# Altium PCB PiMX8MPIODB_r0.1.PcbDoc (part 1 of 3)
Units mm, origin at the board's own origin, x right, y up, seen from the top; angles counter-clockwise.
Board outline 54.2 x 38.2 mm, 6 copper layers (Top Layer, L2 GND, L3 SIG, GND, GND (Mid2), Bottom Layer), stack 1.538 mm thick; 73 components, 73 nets, 333 pads, 771 vias.
Unrouted connection lines stored in the file: 39.
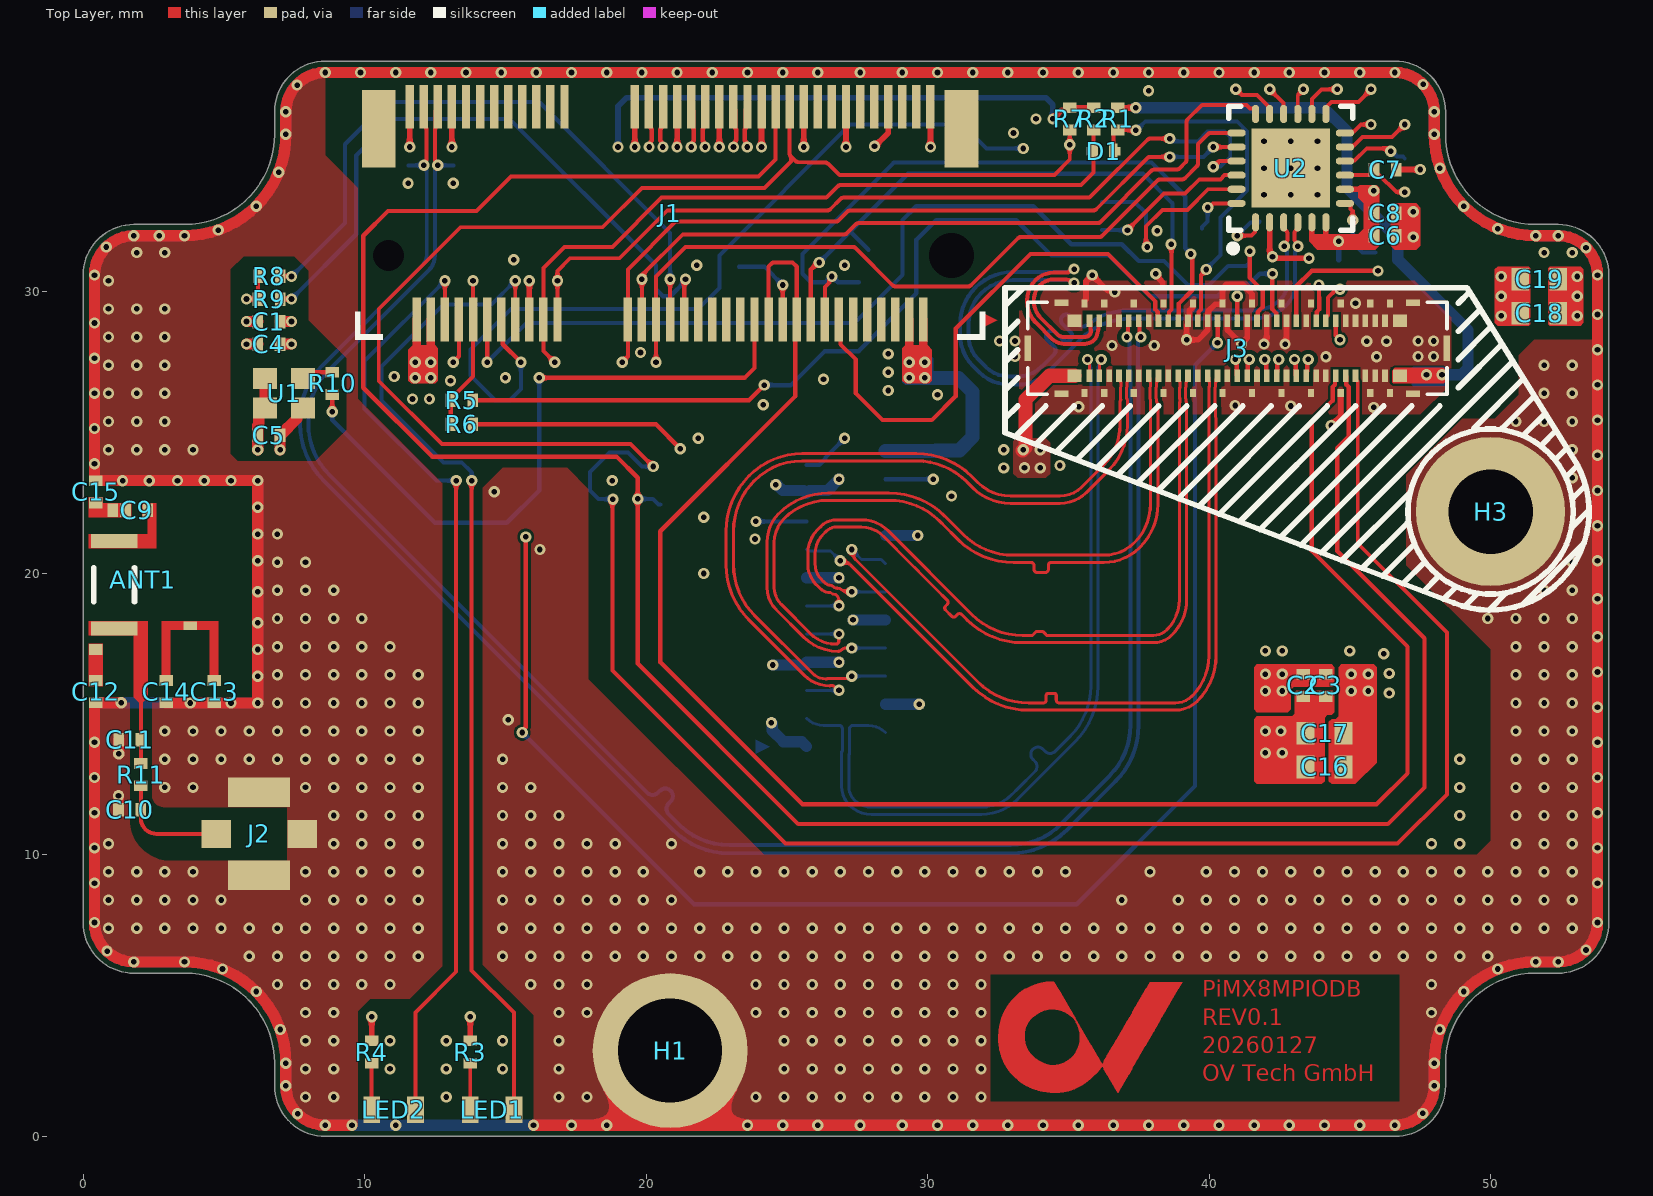
[diagram p0: Top Layer view]
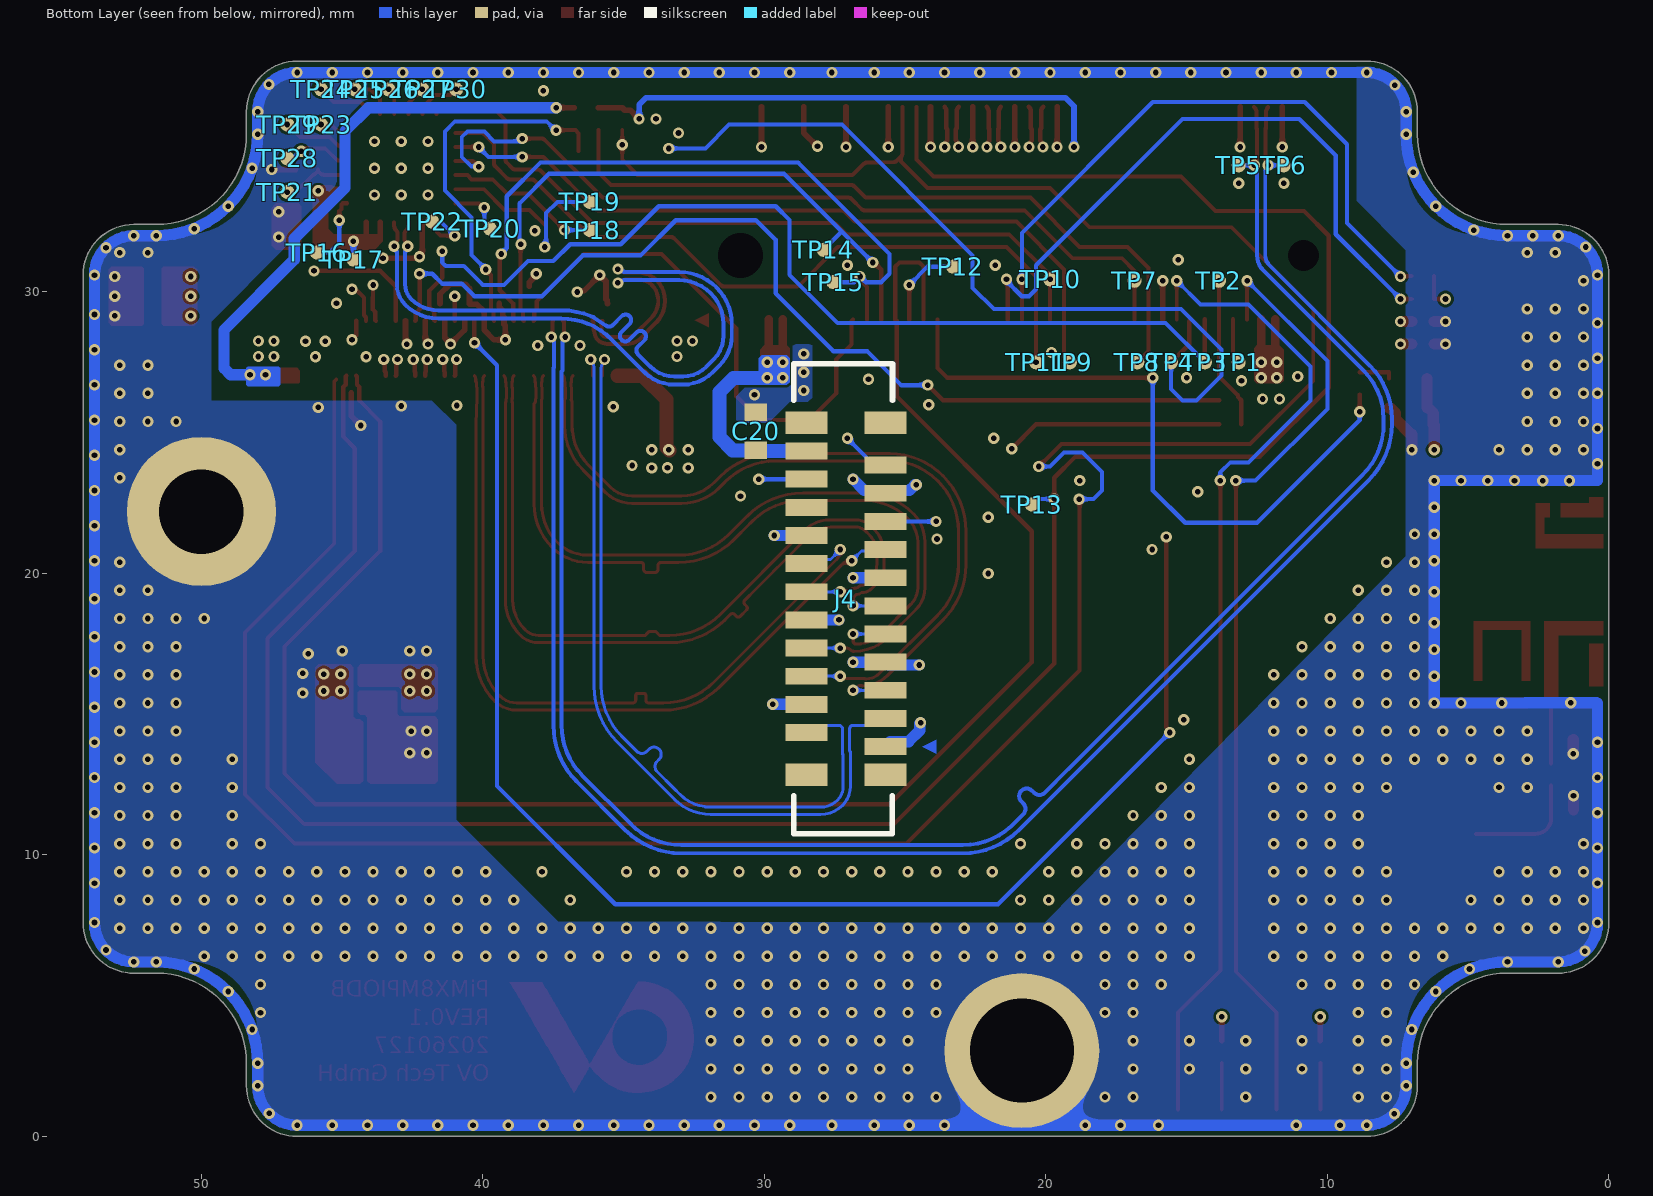
[diagram p1: Bottom Layer view, seen from below]
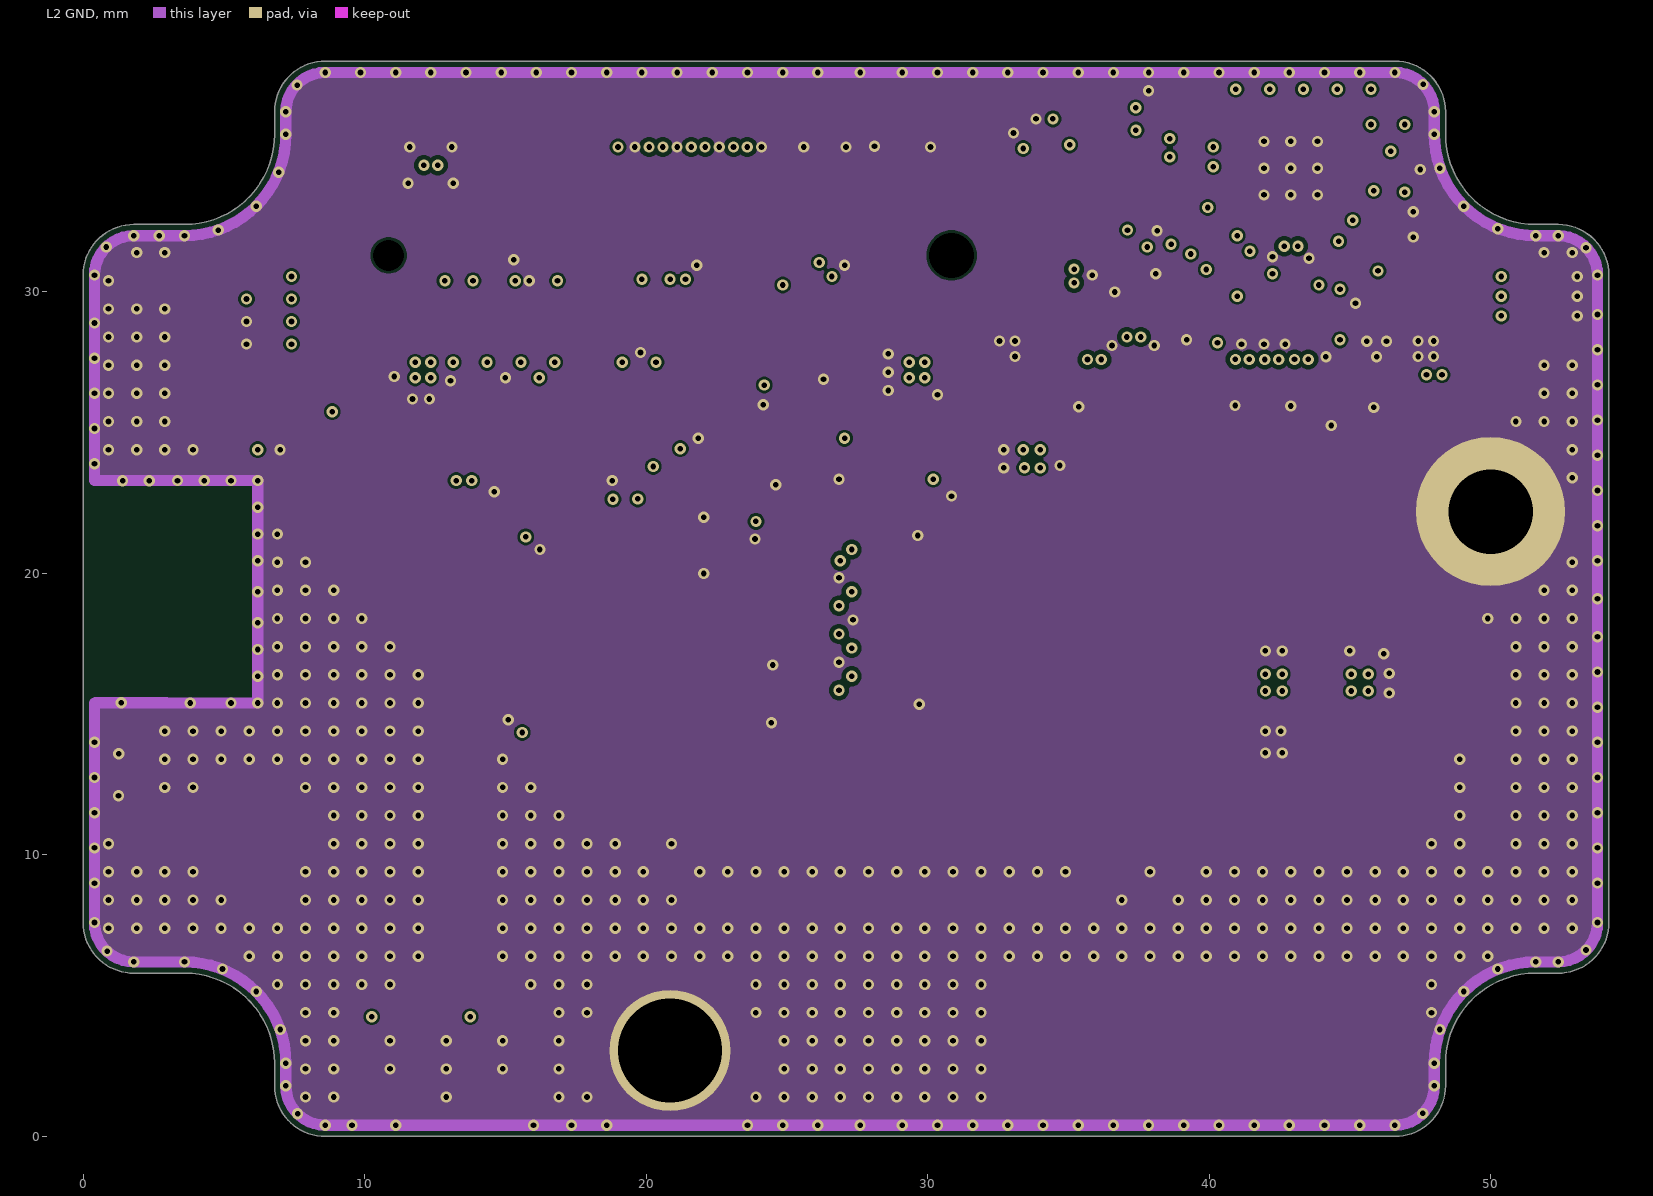
[diagram p2: L2 GND]
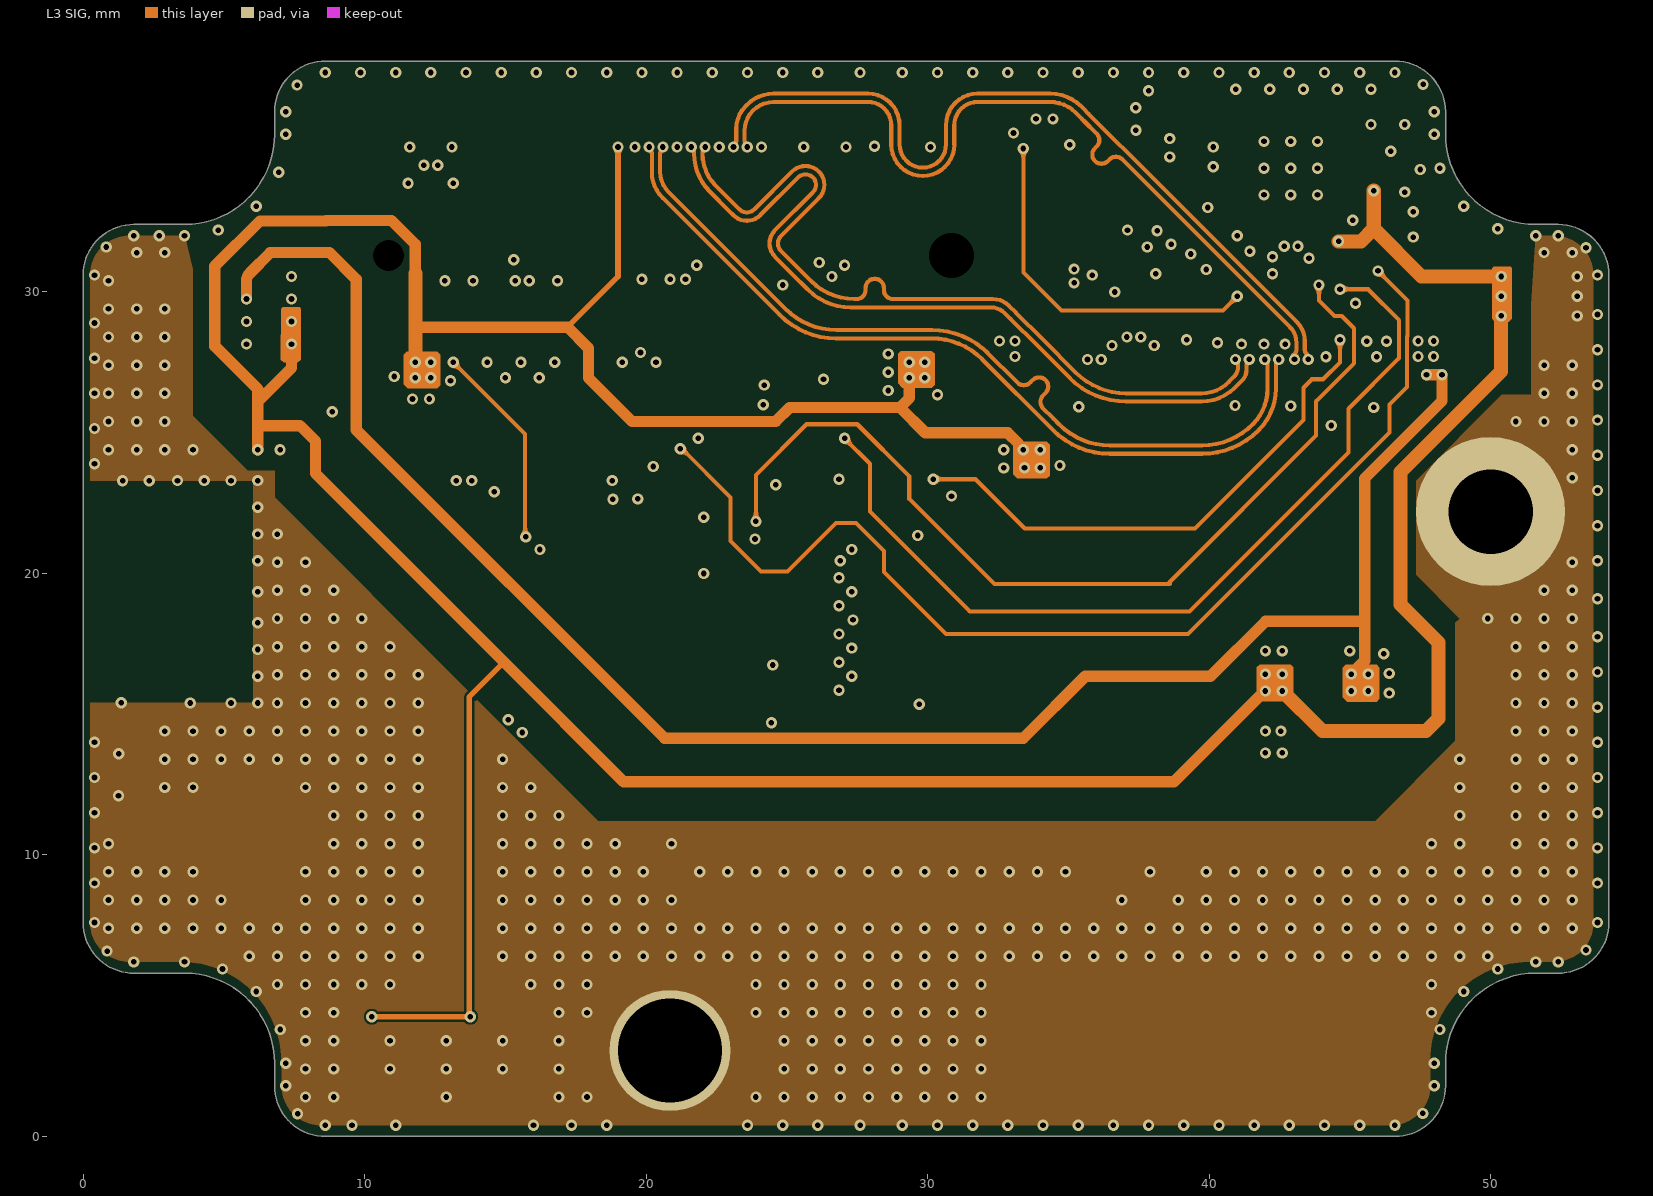
[diagram p3: L3 SIG]
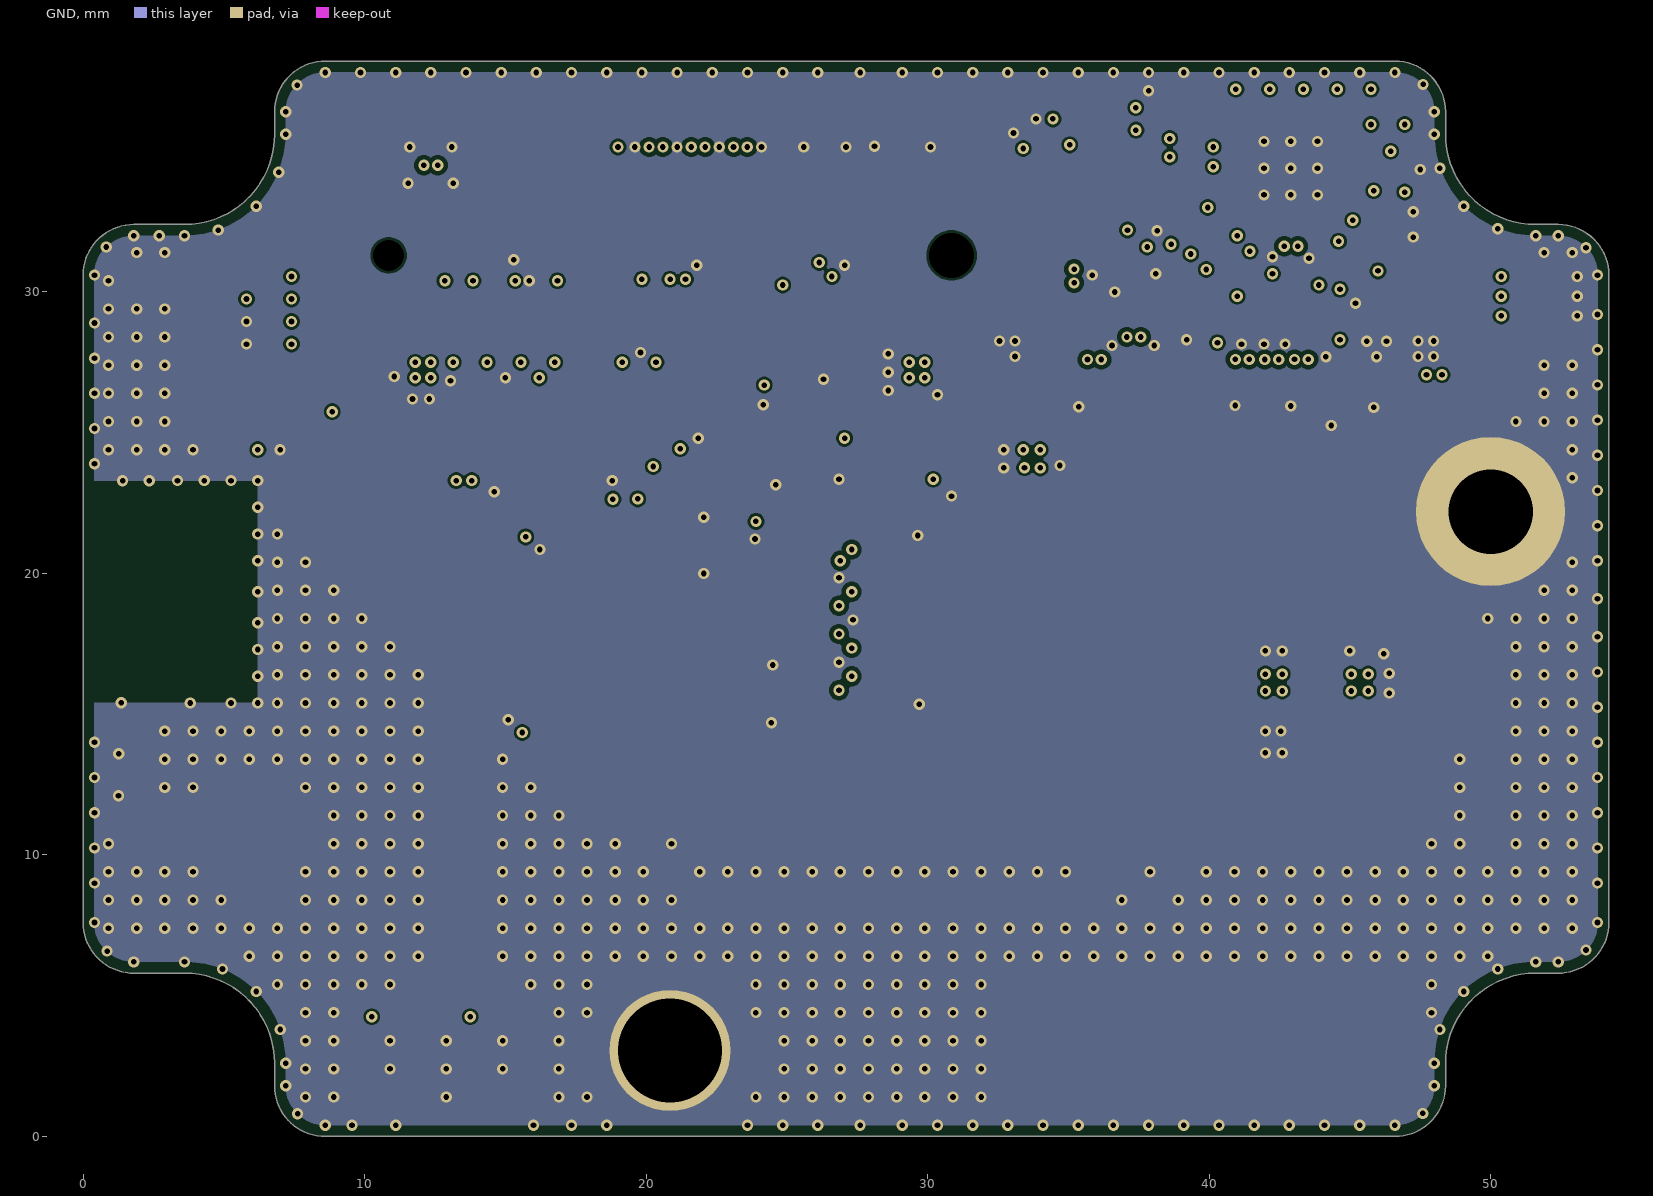
[diagram p4: GND]
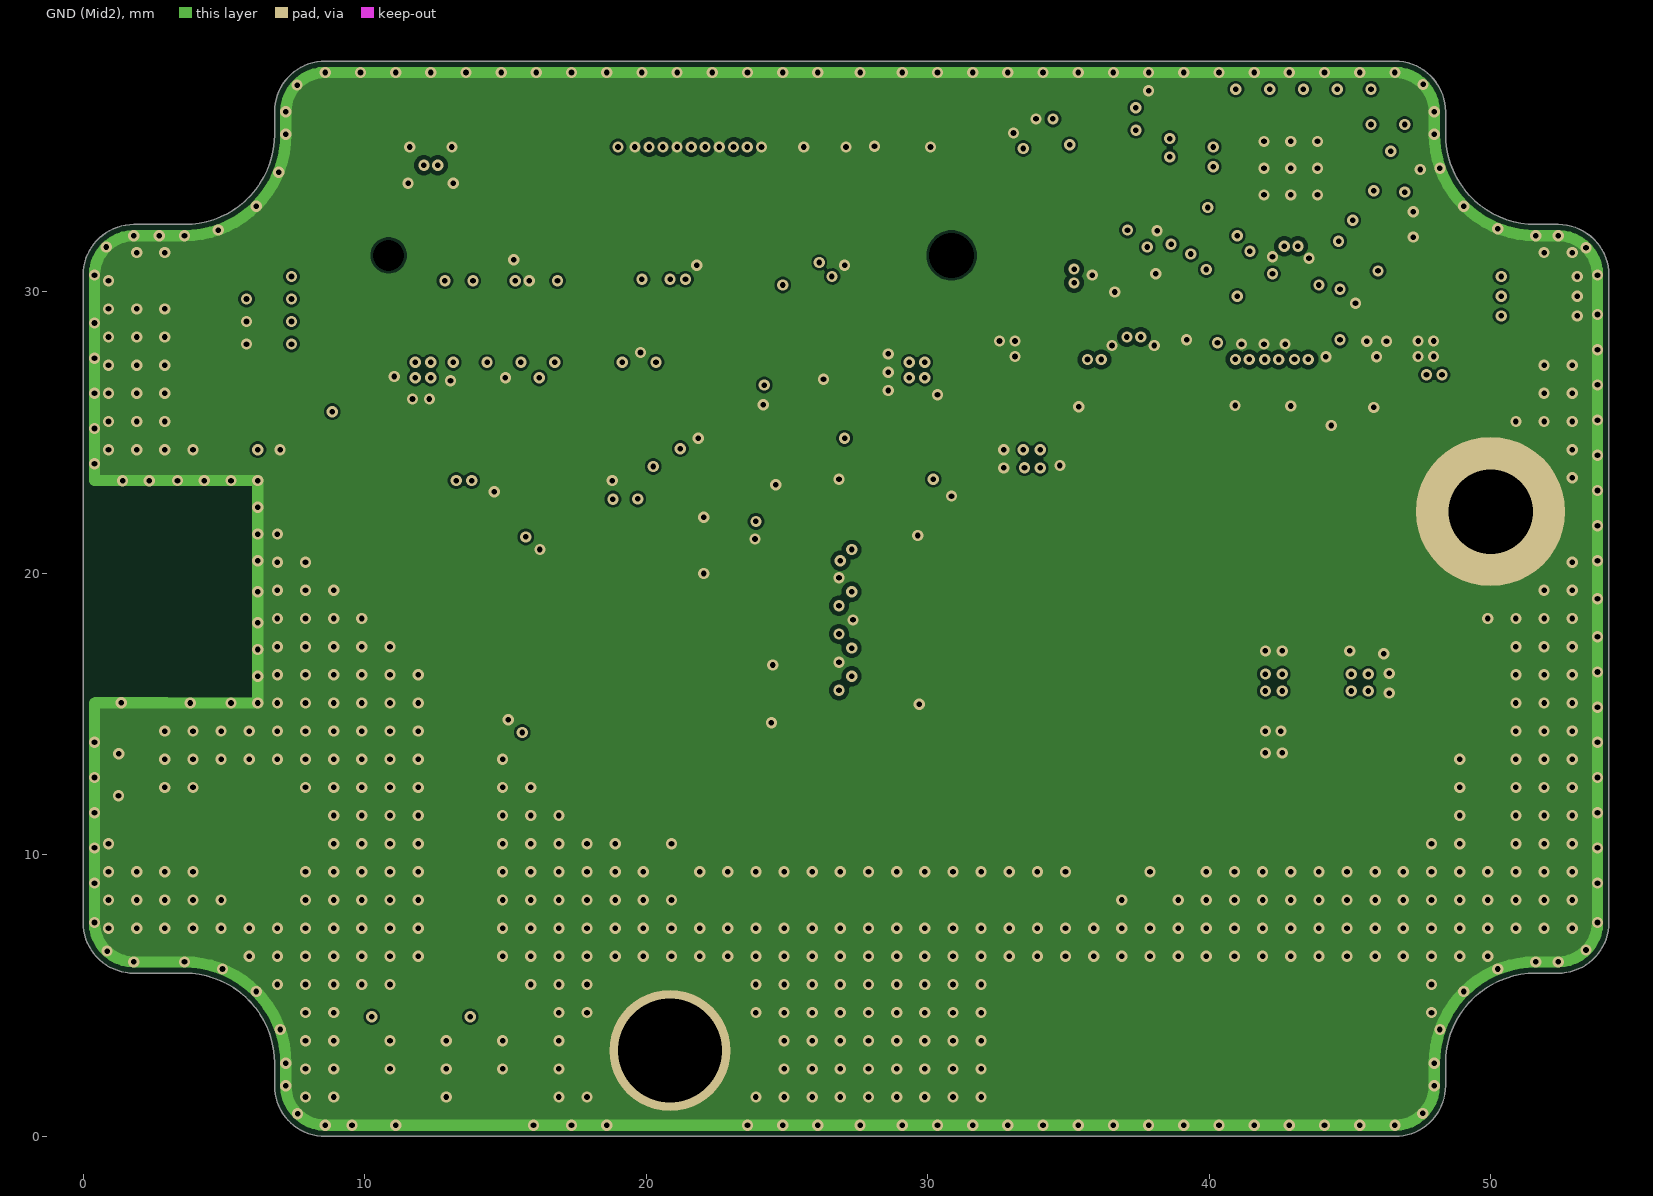
[diagram p5: GND (Mid2)]
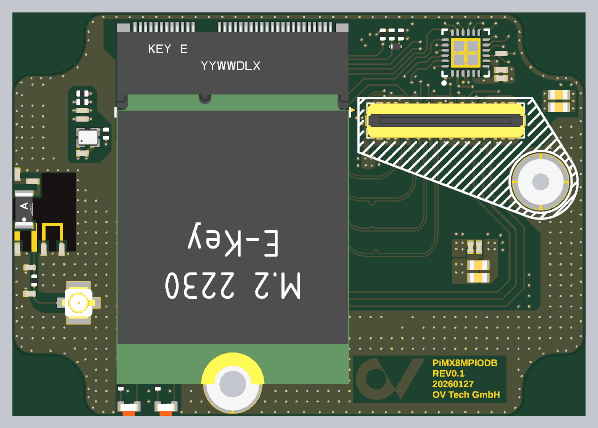
[diagram p8: 3D render of the assembled board from above, using the file's embedded part models]

## Layer stack, top to bottom
Top Solder: solder mask 0.0305, Solder Resist, Dk 3.8
Top Layer: signal copper 0.035
Prepreg 1: prepreg 0.0994, 3313, RC 457, 4.2 mil, Dk 4.1
L2 GND: signal copper 0.0152
Core 1: core 0.55, 0.55mm H/Hwithout copper, Dk 4.1
L3 SIG: signal copper 0.0152
Prepreg 2: prepreg 0.1088, 2116 RC54%, 4.9mil, Dk 4.1
GND: signal copper 0.0152
Core 2: core 0.55, 0.55mm H/Hwithout copper, Dk 4.1
GND (Mid2): signal copper 0.0152
Prepreg 3: prepreg 0.0994, 3313, RC 457, 4.2 mil, Dk 4.1
Bottom Layer: signal copper 0.035
Bottom Solder: solder mask 0.0305, Solder Resist, Dk 3.8

## Board outline
1.8,5.8 3.6,5.8 cw(c3.6,2.6) 6.8,2.6 6.8,1.8 ccw(c8.6,1.8) 8.6,0 46.6,0 ccw(c46.6,1.8) 48.4,1.8 48.4,2.6 cw(c51.6,2.6) 51.6,5.8 52.4,5.8 ccw(c52.4,7.6) 54.2,7.6 54.2,30.6 ccw(c52.4,30.6) 52.4,32.4 51.6,32.4 cw(c51.6,35.6) 48.4,35.6 48.4,36.4 ccw(c46.6,36.4) 46.6,38.2 8.6,38.2 ccw(c8.6,36.4) 6.8,36.4 6.8,35.6 cw(c3.6,35.6) 3.6,32.4 1.8,32.4 ccw(c1.8,30.6) 0,30.6 0,7.6 ccw(c1.8,7.6)

## Design rules (kind name [scope] priority, off if disabled: settings)
BoardOutlineClearance [All] p1: gap=0.2 ignorepadtopadclearanceinfootprint=FALSE
Clearance DIFF_Clearance [(InDifferentialPairClass('All Differential Pairs')) vs IsRegion] p1: gap=0.15 ignorepadtopadclearanceinfootprint=TRUE
Clearance [All] p2: gap=0.09 ignorepadtopadclearanceinfootprint=TRUE except(0.1: Arc-SMDPad Track-SMDPad; 0.125: Arc-Via Track-Via; 0.127: SMDPad-SMDPad; 0.15: SMDPad-Text THPad-Text Via-Text Fill-Text Poly-Text Region-Text Text-Text Text-Hole; 0.154: SMDPad-Via; 0.2: Arc-THPad Arc-Hole Track-THPad Track-Hole SMDPad-Hole THPad-Hole)
ComponentClearance Testpoint [HasFootprint('TP_0.50mm') vs HasFootprint('TP_0.50mm')] p1: gap=0.8 collisioncheckmode=3 verticalgap=0.254 showdistances=FALSE
ComponentClearance Exception_M.2_Standoff [HasFootprint('M.2 E-Key 4.2mm APCI0108-P001A') vs HasFootprint('Spacer_SMD_M3x2.5_TH-0.8-2.5-M3')] p2: gap=0 collisioncheckmode=3 verticalgap=0 showdistances=FALSE
ComponentClearance [All] p3: gap=0.254 collisioncheckmode=3 verticalgap=0.254 showdistances=FALSE
DiffPairsRouting DiffPairsRouting_100 [InDifferentialPairClass('DIFF100')] p1: maxlimit=5 minlimit=0.1 mostfreqgap=0.2 toplayer_prefgap=0.15 toplayer_minwidth=0.108 toplayer_maxwidth=0.108 toplayer_prefwidth=0.108 midlayer3_mingap=0.2 midlayer3_minwidth=0.112 midlayer3_maxwidth=0.112 midlayer3_prefwidth=0.112 midlayer4_mingap=0.2 midlayer4_minwidth=0.112 midlayer4_maxwidth=0.112 midlayer4_prefwidth=0.112 bottomlayer_mingap=0.15 bottomlayer_prefgap=0.15 bottomlayer_minwidth=0.108 bottomlayer_maxwidth=0.108 bottomlayer_prefwidth=0.108 impedanceprofiledriven=TRUE impedanceprofileid={14998AED-97F4-4351-A799-867E61214AE5} impedanceprofilevalue=100.000000 maxuncoupledlength=5
DiffPairsRouting DiffPairsRouting_90 [InDifferentialPairClass('DIFF90')] p2: maxlimit=0.3 minlimit=0.1 mostfreqgap=0.15 toplayer_maxgap=0.15 toplayer_minwidth=0.1 toplayer_maxwidth=0.141 toplayer_prefwidth=0.141 midlayer3_maxgap=0.15 midlayer3_minwidth=0.1 midlayer3_maxwidth=0.129 midlayer3_prefwidth=0.129 midlayer4_maxgap=0.15 midlayer4_minwidth=0.1 midlayer4_maxwidth=0.129 midlayer4_prefwidth=0.129 bottomlayer_maxgap=0.15 bottomlayer_minwidth=0.1 bottomlayer_maxwidth=0.141 bottomlayer_prefwidth=0.141 impedanceprofiledriven=TRUE impedanceprofileid={F763DD62-148D-4FB0-A8B3-71F72581B7A3} impedanceprofilevalue=90.000000 maxuncoupledlength=5
DiffPairsRouting DiffPairsRouting_85 [InDifferentialPairClass('DIFF85')] p3: maxlimit=0.3 minlimit=0.1 mostfreqgap=0.15 toplayer_maxgap=0.15 toplayer_minwidth=0.11 toplayer_maxwidth=0.161 toplayer_prefwidth=0.161 midlayer3_maxgap=0.15 midlayer3_minwidth=0.11 midlayer3_maxwidth=0.147 midlayer3_prefwidth=0.147 midlayer4_maxgap=0.15 midlayer4_minwidth=0.11 midlayer4_maxwidth=0.147 midlayer4_prefwidth=0.147 bottomlayer_maxgap=0.15 bottomlayer_minwidth=0.11 bottomlayer_maxwidth=0.161 bottomlayer_prefwidth=0.161 impedanceprofiledriven=TRUE impedanceprofileid={9D260A77-406D-4574-8F8F-E36613C6C459} impedanceprofilevalue=85.000000 maxuncoupledlength=5
HoleSize HoleSize_Via [IsVia] p1: absolutevalues=TRUE maxlimit=6.3 minlimit=0.2 maxpercent=80.000 minpercent=20.000
HoleSize HoleSize_Pad [IsPad] p2: absolutevalues=TRUE maxlimit=6.3 minlimit=0.5 maxpercent=80.000 minpercent=20.000
HoleSize HoleSize_General [All] p3: absolutevalues=TRUE maxlimit=6.3 minlimit=0.2 maxpercent=80.000 minpercent=20.000
HoleToHoleClearance HoleToHoleClearance_Via [isVia] p1: gap=0.254 allowstackedmicrovias=TRUE
HoleToHoleClearance HoleToHoleClearance_General [All] p2: gap=0.5 allowstackedmicrovias=TRUE
MatchedLengths MatchLengths_xSignals_J3_J4 [InxSignalClass('xSignals_J3_J4_MatchLengthsClass')] p1: tolerance=2.54 checknetsindiffpair=FALSE checkdiffpairvsdiffpair=TRUE checkxsignals=TRUE checkothers=TRUE
MatchedLengths xPCIe_intraPair [InxSignalClass('xPCIe')] p2: tolerance=25.4 checknetsindiffpair=TRUE checkdiffpairvsdiffpair=FALSE checkxsignals=FALSE checkothers=FALSE usedelayunits=TRUE delaytolerance=1.000000 phasematching=TRUE phasedelaytolerance=1.000000 phasedistance=12.7
MatchedLengths xPCIe_interPair [InxSignalClass('xPCIe')] p3: tolerance=2.54 checknetsindiffpair=FALSE checkdiffpairvsdiffpair=TRUE checkxsignals=TRUE checkothers=TRUE usedelayunits=TRUE delaytolerance=1.000000
MatchedLengths [InDifferentialPairClass('All Differential Pairs')] p4: tolerance=0.2 checknetsindiffpair=TRUE checkdiffpairvsdiffpair=FALSE checkxsignals=FALSE checkothers=FALSE
MatchedLengths xCSI [InxSignalClass('xCSI')] p5: tolerance=0.5 checknetsindiffpair=FALSE checkdiffpairvsdiffpair=TRUE checkxsignals=TRUE checkothers=TRUE usedelayunits=TRUE delaytolerance=2.000000
MinimumAnnularRing MinimumAnnularRing_Pad [IsPad] p1: minimumring=0.25
MinimumAnnularRing MinimumAnnularRing_Via [IsVia] p2: minimumring=0.1
MinimumAnnularRing MinimumAnnularRing_General [not isVia] p3: minimumring=0.2
MinimumSolderMaskSliver MinimumSolderMaskSliver_Exception [HasFootprint('BOARD-TO-BOARD 62POL_20698-062E-01')] p1: minsoldermaskwidth=0.04
MinimumSolderMaskSliver [All] p2: minsoldermaskwidth=0.1
PlaneConnect [All] p1: planeconnectstyle=Direct reliefexpansion=0.508 reliefentries=4 reliefconductorwidth=0.254 reliefairgap=0.254
PolygonConnect [All] p1: connectstyle=Direct reliefconductorwidth=0.254 reliefentries=4 polygonreliefangle="90 Angle" airgapwidth=0.254
RoutingVias [All] p1: holewidth=0.2 width=0.4 viastyle="Through Hole" minholewidth=0.2 minwidth=0.4 maxholewidth=6.3 maxwidth=6.5
SilkToSilkClearance [All] p1: silktosilkclearance=0.15
SilkToSolderMaskClearance [IsPad] p1: minsilkscreentomaskgap=0.15 clearancetoexposedcopper=TRUE
SolderMaskExpansion [All] p1: expansion=0.05 istentingtop=FALSE
SupplyNets "Schematic Supply Nets_2" [InNet('GND')] p1: voltage=0.000
SupplyNets "Schematic Supply Nets_1" [InNet('VCC1.8')] p2: voltage=0.000
SupplyNets "Schematic Supply Nets" [InNet('VCC3.3')] p3: voltage=0.000
Width Width_S50 [InNetClass('SNGL_50')] p1: maxlimit=0.3 minlimit=0.1 preferedwidth=0.3 toplayer_maxwidth=0.156 toplayer_prefwidth=0.156 midlayer3_maxwidth=0.142 midlayer3_prefwidth=0.142 midlayer4_maxwidth=0.142 midlayer4_prefwidth=0.142 bottomlayer_maxwidth=0.156 bottomlayer_prefwidth=0.156 impedanceprofiledriven=TRUE impedanceprofileid={23F34C8D-A7B5-40A0-ADDC-0BA88C49F0CC} impedanceprofilevalue=50.000000 minimp=50.000000 maximp=50.000000 favimp=50.000000
Width Width_General [All] p2: maxlimit=10 minlimit=0.1 preferedwidth=0.2 midlayer3_minwidth=0.127 midlayer4_minwidth=0.127 minimp=50.000000 maximp=50.000000 favimp=50.000000
22 further rules are at their usual default settings.
